# KiCad board MegaDrive.kicad_pcb (continued)
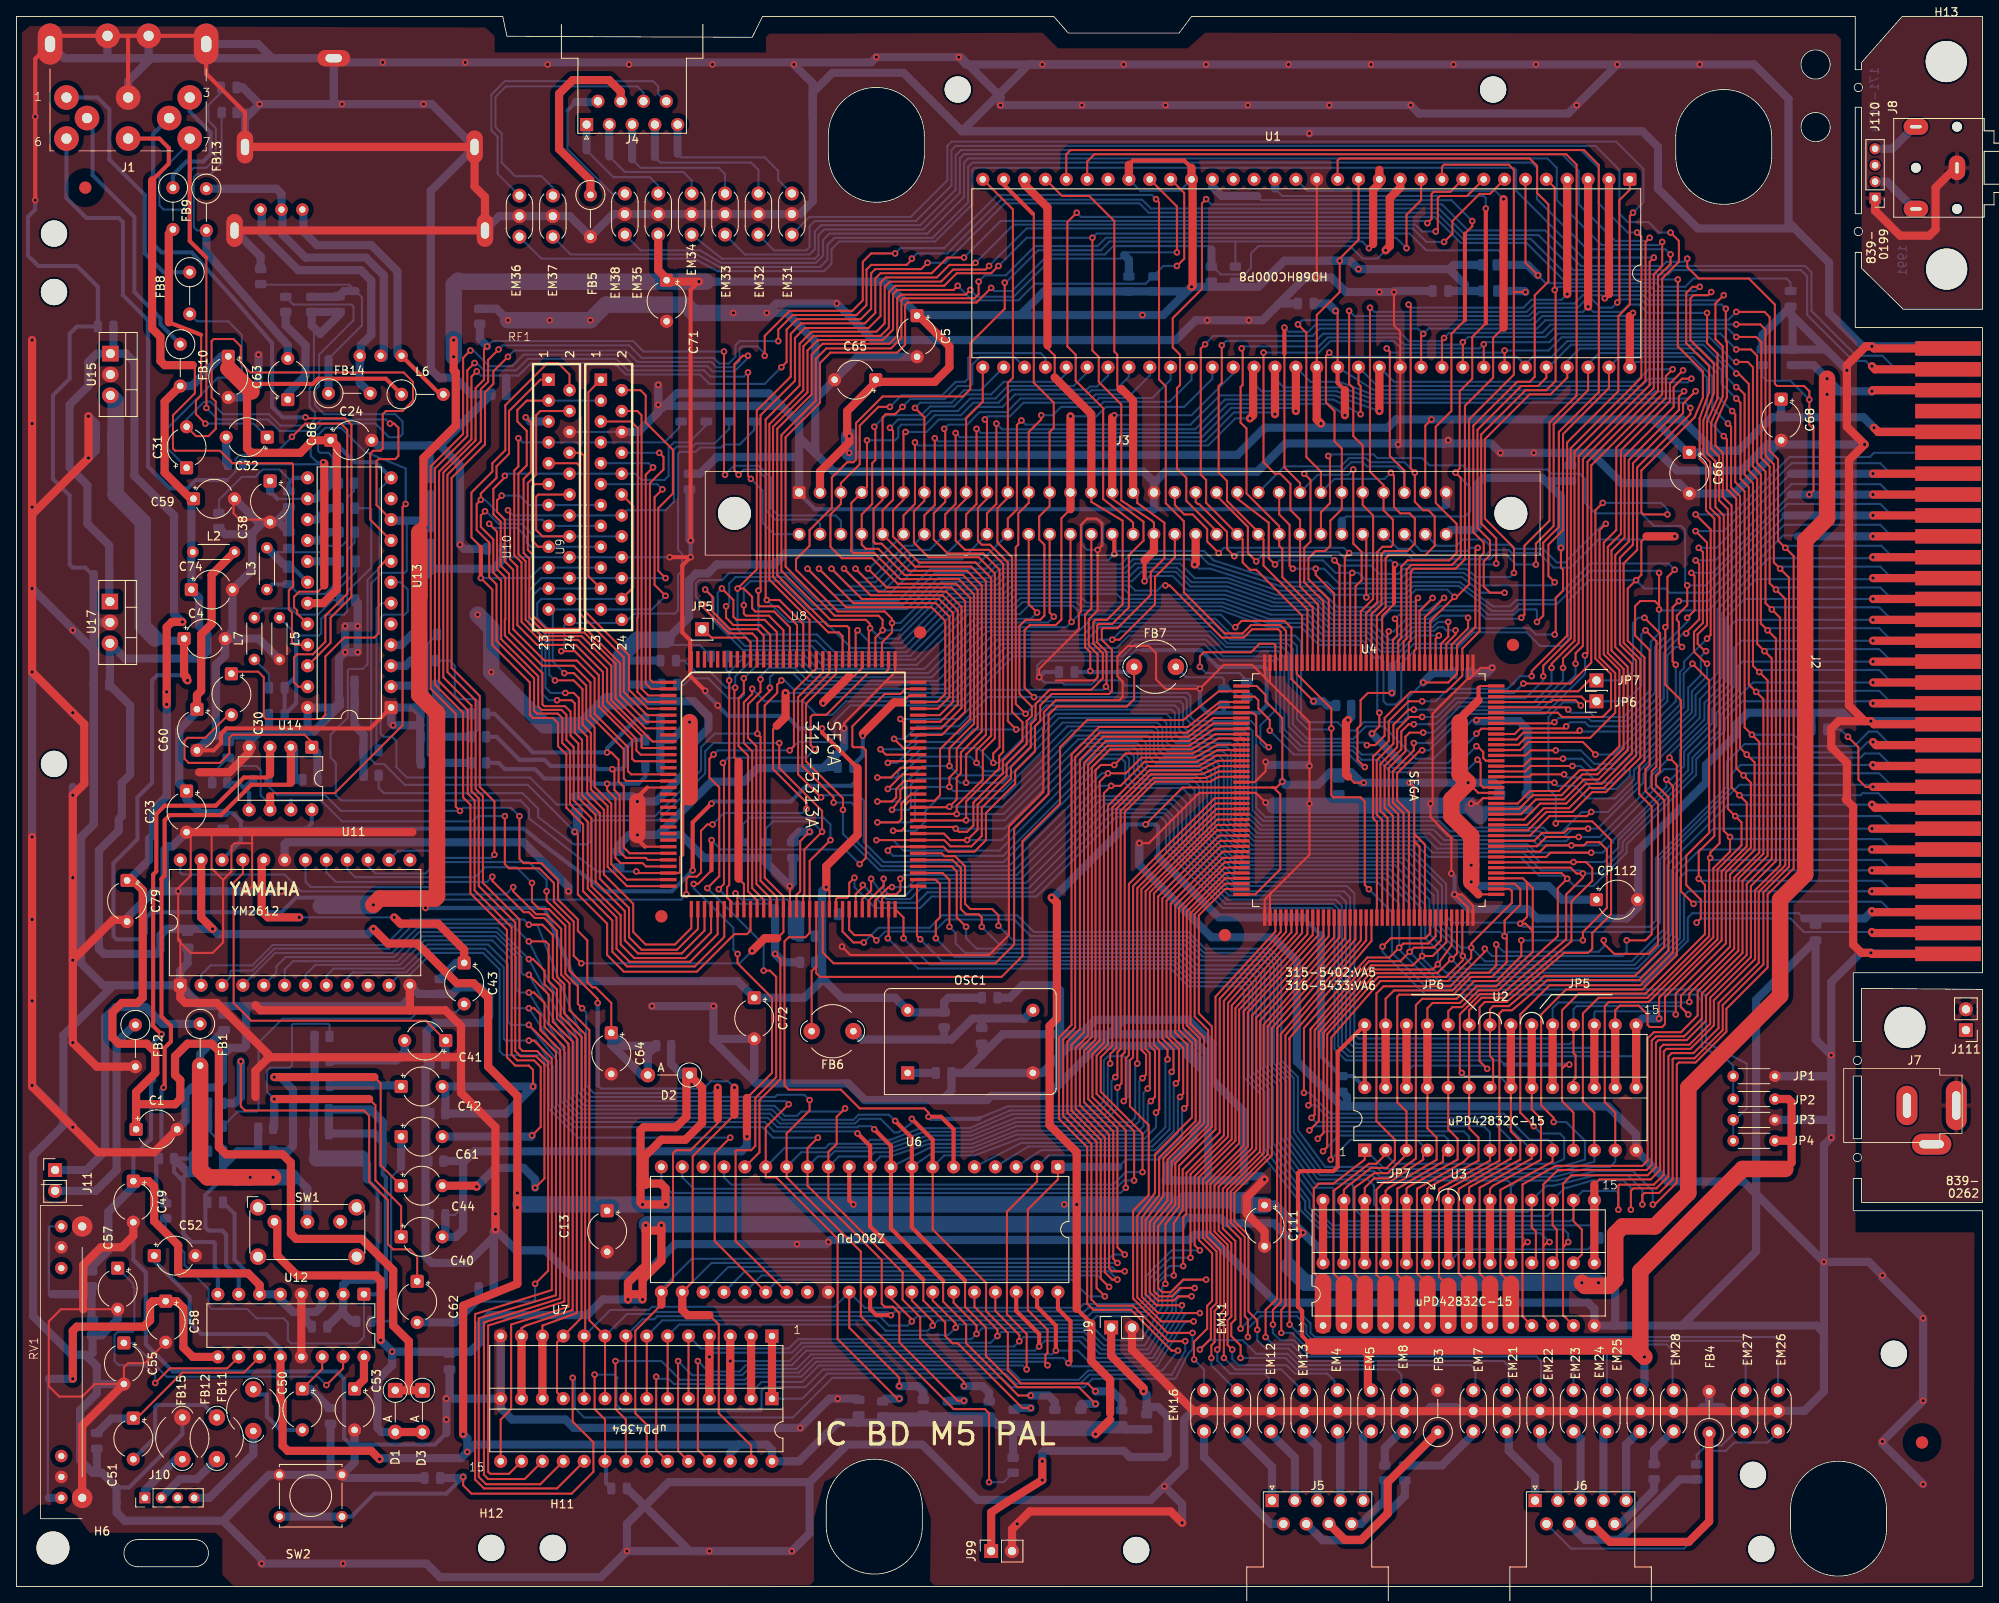
[diagram p0: board, top side]
## Routing (per net, layer and track width the routed paths; a pad name or vN(x,y) marks a point on that pad's centre or on a via; arc(x,y) is an arc through that point) (continued)
GND: length 4714.1
  Top w0.25: 177.26,110.84 176.86,110.44 176.61,110.44 ; 177.26,110.84 178.18,111.76 v1(179.58,111.76) ; 177.26,110.84 177.26,112.01 ; 28.68,90.42 28.68,91.67 28.58,91.77 ; 28.68,90.42 28.68,85.2 v1(28.07,84.58) ; 28.68,90.42 26.54,90.42 26.16,90.04 26.16,87 25.15,85.98 ; 25.15,85.98 25.15,78.36 23.88,77.09 21.21,77.09 19.69,78.61 19.69,78.87 ; 25.15,85.98 23.75,87.38 23.75,91.77 ; 19.69,78.87 19.94,78.61 U11.1 ; 19.69,78.87 v1(19.69,84.58) 19.69,84.96 21.21,86.49 21.21,91.27 C23.2 ; 75.56,96.14 v1(75.56,95.5) 75.56,96.01 ; 30.48,129.79 27.18,129.79 26.42,130.56 26.42,132.84 ; 173.99,139.19 v1(174.24,139.45) ; 177.26,81.76 177.26,82.84 175.89,84.2 v1(175.01,84.2) 176.61,82.6 176.61,81.76 ; U8.97 106.93,111.25 105.66,109.98 ; 152.65,84.33 152.56,84.23 152.56,81.76 ; 152.65,84.33 151.91,83.58 151.91,81.76 ; 152.65,84.33 157.35,89.03 v1(157.35,95.25) v1(157.35,99.82) 157.35,105.16 152.56,109.95 ; 105.66,109.98 105.69,110 109.59,110 ; 105.66,109.98 100.71,105.03 v1(100.71,104.39) ; 151.91,112.01 151.91,110.6 152.15,110.36 ; 176.61,110.44 176.61,112.01 ; 176.61,110.44 172.34,106.17 172.34,95.5 v1(172.08,95.25) 172.08,93.6 174.62,91.06 v1(174.62,86.74) ; U1.16 v1(158.24,159.26) ; v1(124.46,110.62) 124.46,111.63 129.29,116.46 129.29,118.36 129.54,118.62 129.54,129.16 130.3,129.92 131.44,129.92 132.08,129.29 132.08,126.62 v1(131.57,126.11) 131.57,118.75 130.5,117.67 130.5,114.49 131.57,113.41 131.57,110.62 131.19,110.24 126.49,110.24 ; 149.46,97.86 150.69,97.86 152.02,99.19 v1(152.02,100.33) ; 152.15,110.36 150.37,112.14 146.94,112.14 v1(144.02,109.22) 139.83,109.22 138.68,110.36 138.68,113.54 137.8,114.43 135.25,114.43 133.99,113.16 133.99,110.74 134.62,110.11 134.62,108.2 134.24,107.82 126.49,107.82 125.04,106.37 125.04,104.34 124.97,104.27 124.97,96.65 120.78,92.46 120.78,79.25 118.36,76.84 101.47,76.84 v1(100.46,77.85) ; 152.15,110.36 152.56,109.95 ; v1(177.04,95.25) 177.8,95.25 178.46,95.91 179.71,95.91 ; C57.2 5.41,33.74 3.94,32.26 3.94,24.38 5.21,23.11 8,23.11 9.52,24.64 C55.2 13.08,26.67 13.59,27.18 15.62,27.18 C58.2 ; v1(94.11,85.22) 94.13,85.19 U8.48 ; 152.56,109.95 152.56,112.01 ; v1(136.65,90.42) 137.8,90.42 143.93,96.56 150.84,96.56 v1(152.02,95.38) ; 79.19,97.2 76.76,97.2 ; 75.95,90.55 75.56,90.93 v1(75.56,91.44) ; v1(167.64,157.48) 167.64,153.42 168.4,152.65 U1.53 168.4,139.19 v1(168.15,138.94) ; 79.19,90 76.49,90
  Top w0.5: J1.2 2.29,185.85 v1(2.29,168.66) ; 76.76,97.2 75.56,96.01 ; 13.59,188.65 J1.2 5.09,188.65 ; 13.59,188.65 J1.2 ; 13.59,188.65 J1.2 22.09,188.65 ; J1.2 23.09,184.05 27.81,179.32 27.81,175.13 ; C60.2 24,101.73 24.89,102.62 24.89,103.76 25.53,104.39 43.05,104.39 U13.1 ; 76.49,90 75.95,90.55
  Top w1: 54.1,64.39 54.1,60.07 58.29,55.88 v1(58.29,43.43) ; 54.1,64.39 54.1,68.2 52.2,70.1 47.88,70.1 ; 54.1,64.39 30.99,64.39 30.54,64.83 ; 8.13,33.74 8.13,39.12 10.29,41.28 12.83,41.28 14.22,42.67 C49.2 ; U14.4 28.32,101.47 25.91,99.06 22.23,99.06 ; 144.53,21.34 214.38,21.34 ; U11.1 19.94,71.63 20.57,70.99 24.38,70.99 30.54,64.83 ; v1(151.89,49.53) 149.73,47.37 149.73,45.34 151.89,43.18 C111.2 ; 121.16,6.99 123.32,9.14 140.46,9.14 v1(141.86,7.75) ; 121.16,6.99 J99.2 ; 121.16,6.99 v1(121.79,7.62) ; C55.2 8,19.56 RV1.1 ; 47.88,70.1 U11.12 ; 47.88,70.1 29.72,70.1 29.08,70.74 ; 14.35,63.25 9.78,63.25 v1(6.86,66.17) v1(6.86,96.27) 8.26,97.66 8.26,104.9 v1(6.86,106.3) v1(1.91,111.25) 1.91,130.43 ; EM16.2 143.22,21.38 135.76,28.83 135.76,31.37 ; v1(6.86,76.2) 11.76,81.11 13.21,81.11 ; 1.91,130.43 v1(1.91,151.64) ; 1.91,130.43 v1(8.76,137.29) v1(8.76,142.37) ; 48.18,91.77 C23.2 ; 235.2,104.9 226.06,104.9 v1(225.68,105.28) 224.92,105.28 ; 30.54,64.83 30.54,64.2 29.08,62.74 29.08,59.56 ; 224.92,105.28 221.74,105.28 220.85,104.39 220.85,102.11 222.76,100.2 222.76,95.89 222.63,95.76 223.52,94.87 223.52,78.11 224.54,77.09 v1(225.68,77.09) 225.81,76.96 235.2,76.96 ; 224.92,105.28 223.01,107.19 223.01,137.03 v1(224.92,138.94) 222.76,141.1 v1(222.76,147.96) 222.76,148.59 225.04,150.88 v1(225.81,150.88) 226.06,150.62 235.2,150.62 ; v1(1.91,91.19) 1.91,60.83 v1(6.86,55.88) 9.91,52.83 16.76,52.83 C1.2 ; RF1.4 RF1.4 57.02,169.04 55.75,170.31 55.75,175.13 27.81,175.13 ; 34.67,27.94 34.67,35.56
  Top w2: v1(75.56,95.5) v1(75.56,91.44)
  Bottom w0.25: 79.12,115.19 79.76,114.55 83.12,114.55 C110.2 ; 132.21,126.62 132.25,126.66 132.25,129.37 131.83,129.79 130.18,129.79 129.67,129.29 129.67,126.75 130.3,126.11 v1(131.57,126.11) ; v1(177.04,95.25) v1(172.08,95.25) ; U10.6 U9.6 ; 101.09,125.73 101.35,125.73 101.73,126.11 101.73,131.06 ; v1(144.02,109.22) 143.64,109.6 135,109.6 134.37,110.24 131.32,110.24 130.81,109.73 127.51,109.73 127.25,109.98 125.1,109.98 124.97,110.11 ; 137.03,113.92 136.18,113.92 134.91,112.65 124.84,112.65 124.21,112.01 124.21,110.87 124.97,110.11 ; 124.97,110.11 v1(124.46,110.62) ; 104.27,131.06 104.27,125.98 104.01,125.73 ; v1(157.35,95.25) 152.15,95.25 v1(152.02,95.38) ; 152.4,99.95 v1(152.02,100.33) ; v1(157.35,99.82) 157.23,99.95 ; C23.2 24.72,91.77 C69.1
  Bottom w0.5: v1(124.46,110.62) 125.1,111.25 C112.1 ; FB15.2 20.19,18.54 13.72,12.07 12.19,12.07 ; 42.8,17.27 50.93,17.27 52.32,18.67 ; 42.8,17.27 41.15,17.27 ; 42.8,17.27 40.64,17.27 39.88,18.03 39.88,25.27 38.99,26.16 19.05,26.16 15.75,29.46 15.75,38.23 14.22,39.75 C49.2 ; C83.2 8.38,123.95 6.86,123.95 6.48,124.33 6.48,132.72 4.45,134.75 4.45,144.91 6.48,146.94 6.48,152.4 7.37,153.29 C2.2 9.91,158.12 7.37,160.66 2.67,160.66 1.4,161.93 1.4,166.62 2.29,167.51 v1(2.29,168.66) v1(2.29,178.82) 2.29,185.85 J1.2 ; 137.03,113.92 144.14,113.92 146.18,111.89 151.89,111.89 152.15,111.63 152.15,107.19 151.26,106.3 146.69,106.3 ; 146.69,106.3 146.94,106.55 C92.1 ; 146.69,106.3 144.91,106.3 144.02,107.19 v1(144.02,109.22) ; v1(174.62,86.74) 175.01,86.36 v1(175.01,84.2) ; 173.99,131.57 173.48,131.06 97.16,131.06 95.25,132.97
  Bottom w1: 96.52,12.7 101.09,17.27 110.24,17.27 116.97,10.54 138.05,10.54 v1(139.7,12.19) ; 96.52,12.7 96.52,6.48 v1(94.36,4.32) v1(74.3,4.32) ; 96.52,12.7 79.38,12.7 74.3,7.62 v1(74.3,4.32) ; U9.6 75.69,140.46 78.11,142.88 v1(78.11,143.76) ; C119.2 189.1,137.92 ; 189.1,137.92 191.64,137.92 ; 189.1,137.92 v1(184.66,137.92) v1(180.59,137.92) 179.45,139.06 173.23,139.06 ; U11.19 32.64,90.3 32.89,90.55 61.72,90.55 67.18,85.09 v1(67.18,84.58) ; 9.4,113.54 9.4,113.92 v1(1.91,121.41) ; 9.4,113.54 9.4,117.09 ; 9.4,113.54 C73.2 9.4,92.71 7.87,91.19 7.87,75.82 10.54,73.15 11.81,73.15 ; 9.4,117.09 9.59,117.29 U17.2 ; 9.4,117.09 C83.2 ; 220.54,150.18 215.9,154.81 ; 220.54,150.18 220.22,150.5 216.15,150.5 ; 220.54,150.18 v1(222.76,147.96) ; 215.9,154.81 216.15,154.56 216.15,150.5 ; 215.9,154.81 C94.1 212.47,152.27 212.47,150.5 216.15,150.5 ; 7.75,16.13 8,15.88 RV1.1 ; 7.75,16.13 7.75,15.37 9.27,13.84 9.91,13.84 ; 7.75,16.13 7.75,21.46 9.78,23.5 9.78,24.64 ; J1.2 5.81,185.93 11.18,185.93 ; 97.22,137.86 95.25,139.83 ; 97.22,137.86 97.22,151.45 93.73,154.94 v1(91.31,154.94) 92.46,156.08 v1(99.82,156.08) 104.27,151.64 141.1,151.64 143.51,154.05 v1(144.91,154.05) v1(149.99,154.05) 151.64,154.05 153.67,156.08 ; 97.22,137.86 99.44,135.64 137.16,135.64 138.43,134.37 J3.a18 ; 95.25,139.83 95.25,137.41 ; 95.25,139.83 95.25,141.48 ; v1(59.82,154.05) 58.42,155.45 R33.1 ; 117.48,64.64 120.02,67.18 142.49,67.18 145.03,64.64 145.03,49.4 ; 117.48,64.64 C82.2 ; 117.48,64.64 115.32,62.48 ; v1(194.82,185.17) v1(189.87,180.21) 188.85,179.2 170.69,179.2 v1(169.67,180.21) v1(159.77,180.21) v1(119.76,180.21) 119.76,181.23 114.93,186.06 v1(114.68,186.06) ; C116.2 73.53,109.73 ; v1(179.58,111.76) 178.94,111.13 176.78,111.13 ; 216.41,165.23 215.65,165.99 215.65,180.98 211.45,185.17 v1(204.85,185.17) v1(124.84,185.17) 115.57,185.17 v1(114.68,186.06) ; 216.41,165.23 204.6,165.23 199.77,170.05 199.77,175.13 197.87,177.04 157.61,177.04 v1(157.35,176.78) 157.1,177.04 115.06,177.04 ; 216.41,165.23 220.6,161.04 220.6,154.94 224.66,150.88 v1(225.81,150.88) 234.95,150.88 ; 27.94,70.61 27.94,65.79 27.69,65.53 26.04,65.53 25.15,64.64 25.15,61.6 24.26,60.71 21.34,60.71 20.57,59.94 20.57,56.64 C1.2 ; 27.94,70.61 46.86,70.61 47.88,71.63 U11.12 48.94,72.09 R54.2 53.04,72.09 53.85,72.9 56.39,72.9 57.53,71.76 57.53,69.47 56.64,68.58 50.93,68.58 49.91,67.56 49.91,64.09 R53.2 49.78,63.04 49.78,40.13 50.55,39.37 54.93,39.37 58.29,42.74 v1(58.29,43.43) ; 27.94,70.61 25.27,70.61 ; C11.2 9.78,13.97 9.91,13.84 ; C4.2 29.46,115.32 L5.1 ; C4.2 25.4,113.28 24.26,112.14 24.26,104.01 23.75,103.51 ; C4.2 26.29,116.21 C74.2 28.7,123.7 28.7,128.02 ; v1(141.86,7.75) 141.86,10.03 v1(139.7,12.19) ; 28.58,179.32 R71.1 ; 28.58,179.32 v1(29.59,180.34) ; 28.58,179.32 27.81,178.56 27.81,175.13 ; v1(175.01,84.2) 176.78,82.42 183.9,82.42 185.04,81.28 195.96,81.28 197.36,82.68 197.36,89.54 205.61,97.79 205.61,99.95 209.17,103.51 209.17,104.78 210.69,106.3 218.44,106.3 ; v1(29.46,149.86) 29.46,146.18 27.94,144.65 C63.2 ; 93.09,143.64 93.09,143.63 C106.2 78.86,143.63 78.68,143.45 ; 93.09,143.64 95.25,141.48 ; 93.09,143.64 91.57,145.16 80.39,145.16 78.68,143.45 ; SW2.1 40,13.21 C80.2 ; SW2.1 41.15,15.11 C53.2 ; SW2.1 38.23,13.59 ; 25.15,8 30.73,13.59 SW2.1 38.23,13.59 ; 25.15,8 13.21,8 12.19,9.02 12.19,12.07 10.41,13.84 9.91,13.84 ; 25.15,8 29.84,3.3 v1(29.84,2.79) v1(39.75,2.79) 49.91,2.79 51.56,1.14 71.12,1.14 v1(74.3,4.32) ; JP1.2 220.83,62.08 220.85,62.1 ; RF1.4 31.11,185.93 ; RF1.4 39.12,185.42 v1(44.58,185.42) 104.01,185.42 v1(104.65,186.06) v1(114.68,186.06) ; RF1.4 38.61,180.34 ; 31.11,185.93 29.39,187.65 J1.2 ; 31.11,185.93 17.27,185.93 ; v1(139.7,12.19) 142.11,14.61 142.11,20.32 143.17,21.38 EM16.2 ; 145.03,49.4 C14.2 140.08,51.18 143.26,54.36 143.26,55.37 144.4,56.52 144.4,63.75 142.37,65.79 ; 145.03,49.4 149.35,49.4 149.35,49.4 149.35,49.91 ; 8.7,27.88 9.78,26.8 9.78,24.64 ; 8.7,27.88 8.38,28.19 6.73,28.19 2.03,32.89 2.03,52.45 5.72,56.13 5.72,67.06 11.81,73.15 ; 8.7,27.88 9.27,28.45 R66.2 10.37,30.56 12.32,32.51 C57.2 ; v1(6.86,55.88) 6.86,56.01 v1(1.91,60.96) v1(1.91,151.64) ; 153.67,156.08 156.85,159.26 159,159.26 ; 153.67,156.08 C81.1 ; 11.81,73.15 U11.1 ; 95.25,137.41 85.22,137.41 83.18,135.38 C20.2 ; 95.25,137.41 J3.a1 ; v1(136.65,90.42) 136.65,87.76 145.42,78.99 152.91,78.99 155.83,76.07 155.83,63.88 161.29,58.42 161.93,58.42 ; 142.37,65.79 142.37,64.77 147.32,59.82 ; 142.37,65.79 133.99,65.79 ; 127,61.21 125.48,59.69 118.62,59.69 118.11,59.18 112.65,59.18 ; 127,61.21 130.56,64.77 ; 127,61.21 127,72.52 126.36,73.15 122.43,73.15 120.9,71.63 C19.2 ; 35.43,104.01 30.73,104.01 ; 35.43,104.01 36.2,104.01 39.37,107.19 R24.1 ; 35.43,104.01 U13.24 38.73,106.93 R24.1 ; 30.73,104.01 30.74,104.02 C37.2 ; 30.73,104.01 29.59,104.01 ; FB4.2 205.99,21.84 ; 205.99,21.84 205.23,21.84 204.72,21.34 175.64,21.34 175.13,21.84 172.08,21.84 171.58,21.34 144.53,21.34 ; 205.99,21.84 207.52,21.84 208.03,21.34 214.38,21.34 ; v1(224.92,138.94) 213.11,138.94 209.93,135.76 202.06,135.76 199.9,137.92 191.64,137.92 ; 218.44,106.3 218.44,106.29 218.44,104.27 ; 218.44,106.3 222.25,106.3 223.27,105.28 v1(225.68,105.28) 234.7,105.28 J2.a12 ; v1(219.96,39.5) 225.43,39.5 v1(227.08,37.85) 227.08,37.59 v1(232.03,32.64) v1(232.03,22.61) v1(227.08,17.65) 227.08,17.4 v1(232.03,12.45) ; v1(219.96,39.5) 219.96,53.72 v1(220.85,54.61) 220.85,56.77 ; v1(219.96,39.5) 210.19,49.28 200.91,49.28 U2.14 197.1,54.99 193.68,58.42 161.93,58.42 ; v1(219.96,39.5) 219.96,28.7 ; 167.51,139.06 154.43,139.06 151,135.64 139.83,135.64 138.43,134.24 J3.a18 ; 167.51,139.06 168.02,139.06 v1(168.15,138.94) ; 167.51,139.06 173.23,139.06 ; v1(78.11,143.76) 78.99,143.76 78.68,143.45 ; v1(78.11,143.76) v1(78.11,146.18) ; 74.17,4.32 v1(74.3,4.32) ; 115.06,177.04 107.95,184.15 99.31,184.15 96.9,181.74 96.9,178.94 ; 115.06,177.04 123.19,185.17 v1(134.75,185.17) ; 134.87,68.96 142.62,68.96 145.54,66.04 145.54,61.6 147.32,59.82 ; 134.87,68.96 131.32,68.96 128.08,65.72 ; 134.87,68.96 134.75,68.96 130.56,64.77 ; C6.2 167.77,157.61 v1(167.64,157.48) v1(165.86,157.48) 161.8,157.48 160.02,159.26 159,159.26 ; 130.56,64.77 131.57,65.79 133.99,65.79 ; C114.2 81.92,4.32 v1(84.33,4.32) ; 147.32,59.82 149.35,57.79 149.35,49.91 ; 96.9,178.94 96.9,182.88 v1(94.61,185.17) ; 96.9,178.94 96.9,168.53 95.34,166.97 EM31.2 72.6,166.97 FB5.2 67.35,166.71 EM36.2 58.76,166.71 RF1.4 ; 18.03,84.58 v1(19.69,84.58) v1(28.07,84.58) v1(32.26,84.58) ; 18.03,84.58 16.68,84.58 13.21,81.11 ; 18.03,84.58 18.03,89.66 18.41,90.04 18.97,90.04 C23.2 ; R24.1 39.25,107.69 C29.2 39.25,112.91 v1(40,113.67) ; 202.69,31.75 194.56,31.75 ; 202.69,31.75 211.71,40.77 211.71,71.37 C90.2 218.95,66.55 v1(220.85,64.64) ; 202.69,31.75 219.07,31.75 219.96,30.86 219.96,28.7 ; 194.56,31.75 194.56,31.76 194.56,42.42 ; 194.56,31.75 U3.14 192.02,33.78 191.26,34.54 153.29,34.54 145.03,42.8 143.38,42.8 142.75,42.16 99.06,42.16 v1(98.81,41.91) 98.55,41.66 v1(95,41.66) 80.14,41.66 76.33,37.85 67.44,37.85 64.39,40.89 60.83,40.89 v1(58.29,43.43) ; 98.17,99.57 100.71,102.11 v1(100.71,104.39) ; 98.17,99.57 98.3,99.7 99.95,99.7 ; 98.17,99.57 90.17,99.57 88.52,97.92 84.58,97.92 78.11,91.44 ; C78.2 94.49,85.6 v1(94.11,85.22) 91.19,88.14 C102.2 83.69,88.65 80.9,91.44 78.11,91.44 ; C38.2 29.38,129.49 26.54,132.33 ; C38.2 31.58,129.49 ; C38.2 30.05,129.49 28.7,128.14 28.7,128.02 ; C85.1 178.82,94.49 178.05,93.73 ; 50.29,138.81 43.94,138.81 43.05,139.7 ; 50.29,138.81 C105.2 ; 50.29,138.81 51.56,138.81 ; 115.32,62.48 OSC1.7 124.84,62.48 128.08,65.72 ; 115.32,62.48 C122.2 113.79,60.33 112.65,59.18 ; C68.2 213.36,138.05 213.36,137.29 209.04,132.97 C66.2 202.31,134.24 195.33,134.24 191.64,137.92 ; 128.08,65.72 128.14,65.79 133.99,65.79 ; 25.27,70.61 22.48,70.61 U11.1 ; 25.27,70.61 C121.2 ; 9.78,24.64 C55.2 ; U7.14 U7.14 ; U7.14 v1(52.32,22.86) ; U7.14 58.93,21.72 60.33,20.32 66.8,20.32 67.82,19.3 v1(95.38,19.3) 98.93,22.86 v1(99.95,22.86) 102.36,22.86 C15.2 ; v1(40,113.67) v1(41.53,113.67) v1(41.53,116.84) ; v1(40,113.67) v1(40,116.84) v1(41.53,116.84) ; 112.65,59.18 103.25,59.18 101.22,61.21 90.04,61.21 ; v1(174.24,139.45) 173.86,139.06 173.23,139.06 ; R30.1 25.4,128.02 28.7,128.02 ; 23.75,103.51 C60.2 ; 23.75,103.51 29.08,103.51 29.59,104.01 ; 29.59,104.01 28.32,102.74 U14.4 ; v1(8.76,142.37) 9.65,141.48 C3.2 9.65,138.18 v1(8.76,137.29) ; v1(52.32,22.86) 52.7,23.24 C89.2 ; v1(52.32,22.86) v1(52.32,20.32) 52.32,18.67 ; v1(6.86,66.17) 6.86,97.28 ; 49.23,100.2 49.15,100.28 49.15,104.78 ; v1(151.89,49.53) 151.51,49.91 149.35,49.91 ; v1(29.59,180.34) 27.56,182.37 C113.2 ; v1(29.59,180.34) 38.61,180.34 ; 84.84,66.42 85.04,66.63 C72.2 89.79,61.47 90.04,61.21 ; 84.84,66.42 v1(84.84,70.61) v1(77.34,70.61) ; 84.84,66.42 90.04,61.21 ; U11.1 19.94,74.93 20.83,75.82 C22.2 ; 95.25,141.48 95.25,142.49 C65.2 102.36,149.61 C5.2 ; 38.61,180.34 v1(49.53,180.34) 50.55,180.34 55.75,175.13 50.42,169.8 50.42,148.08 51.44,147.07 53.34,147.07 55.37,145.03 57.78,145.03 51.56,138.81 ; 17.27,185.93 16.38,185.93 ; 17.27,185.93 11.18,185.93 ; 16.38,185.93 16.09,186.22 J1.2 ; 16.38,185.93 13.59,183.13 J1.2 ; 11.18,185.93 11.09,186.02 J1.2 ; 219.96,28.7 219.96,23.75 217.59,21.38 EM26.2 ; C75.2 38.23,13.59 ; v1(58.29,43.43) 58.09,43.23 R49.1 ; v1(58.29,43.43) v1(58.29,45.34) ; J3.a18 138.43,131.06 ; C21.2 54.48,126.24 v1(53.97,126.75) 53.97,136.4 51.56,138.81 ; 73.53,107.7 82.42,107.7 84.2,105.92 84.2,104.39 82.42,102.62 82.42,100.08 77.85,95.5 v1(75.56,95.5) 74.94,96.13 C103.2 ; 161.93,58.42 161.93,59.56 C7.2 ; 220.85,56.77 220.85,62.1 ; 220.85,56.77 JP3.2 ; 220.85,62.1 v1(220.85,64.64) ; 78.11,91.44 v1(75.56,91.44) 74.55,91.44 73.28,90.17 C16.2 ; v1(41.53,116.84) 41.53,119.68 41.2,120.02 ; 159,159.26 v1(158.24,159.26) ; 31.58,129.49 31.92,129.49 C34.2 C95.2 33.15,131.06 31.58,129.49 ; J2.a1 225.81,76.96 v1(225.68,77.09) 224.41,77.09 220.85,73.53 v1(220.85,64.64) ; RF1.4 29.72,161.8 R73.1 ; C115.2 74.04,112.65 73.53,113.16 ; 79.12,115.19 81.85,117.92 81.85,122.39 82.72,123.25 84.14,123.25 85.22,124.33 92.2,124.33 93.6,125.73 104.01,125.73 ; 49.15,104.78 v1(45.85,104.78) 45.59,105.03 U13.1 48.39,106.93 R18.1 49.15,104.78 ; 81.66,155.7 81.41,155.96 ; 157.23,99.95 152.4,99.95 ; J3.a32 173.99,131.57
  Bottom w2: v1(91.31,154.94) v1(87.25,154.94) 82.42,154.94 81.66,155.7 ; 79.12,115.19 75.56,115.19 73.53,113.16 73.53,107.7 71.88,107.7 68.96,104.78 64.26,104.78 v1(57.78,111.25) 57.78,116.59 v1(56.13,118.24) ; 153.04,95 176.78,95 178.05,93.73 ; v1(59.82,154.05) v1(64.9,154.05) v1(69.85,154.05) 71.75,155.96 81.41,155.96
  vias: v1(1.91,141.48) v1(1.91,131.32) v1(1.91,81.15) v1(1.91,71.25) v1(6.86,116.33) v1(6.86,86.23) v1(39.62,180.34) v1(54.61,185.42) v1(64.64,185.17) v1(74.55,185.17) v1(84.71,185.17) v1(129.67,180.21) v1(139.83,180.21) v1(144.78,185.17) v1(149.86,180.21) v1(154.81,185.17) v1(164.85,185.17) v1(174.88,185.17) v1(184.91,185.17)
VCC: length 899.1
  Top w0.25: U1.49 158.24,154.69 161.04,157.48 v1(161.04,161.29) 161.04,161.54 163.32,163.83 U1.14 ; U8.54 98.93,84.71 v1(98.55,85.09) ; v1(172.21,141.99) 171.45,141.22 J3.a31
  Top w0.5: 51.18,83.95 50.8,83.95 49.78,82.93 v1(49.78,82.55) ; v1(82.04,127.25) 82.04,157.73 v1(83.06,158.75) ; v1(79.5,125.22) v1(82.04,125.22) 81.03,124.21 81.03,116.08 81.99,115.11 81.99,110.79 v1(83.82,108.97) ; 143,172.59 142.11,173.48 135.89,173.48 135.38,172.97 ; v1(98.04,104.39) 98.04,103.89 102.36,99.57
  Top w1: v1(226.06,140.97) 226.57,140.46 235.2,140.46 ; U1.22 143,172.59 ; 143.13,171.07 143.13,158.24 v1(143,158.12) ; EM35.1 78.11,160.15 79.5,158.75 v1(83.06,158.75) ; C4.1 20.4,110.92 20.7,110.62 20.7,110.36 v1(20.83,110.24) ; 135.38,172.97 U1.25 ; 49.02,128.27 49.02,128.78 49.53,129.29 49.53,137.29 53.47,141.22 53.47,147.7 53.21,147.96 v1(53.21,151.64) ; 102.36,99.57 102.36,91.44 98.55,87.63 v1(98.55,85.09) ; U1.49 158.24,141.99 v1(158.75,141.48) ; 109.73,154.69 113.54,150.88 113.54,148.34 111.76,146.56 104.65,146.56 101.09,143 101.09,140.21 v1(101.35,139.95) 101.35,139.19 97.79,135.64 J3.a2
  Top w2: 49.02,120.52 v1(49.02,122.17) ; 49.02,120.52 49.02,108.46 51.18,106.3 51.18,83.95 50.93,83.69 44.2,83.69 v1(43.43,82.93) ; 49.02,120.52 49.02,128.27
  Bottom w0.25: U1.22 141.61,169.8 136.78,169.8 U1.25 ; v1(79.5,125.22) U10.18 59.18,125.22
  Bottom w0.5: v1(83.82,108.97) 83.82,108.71 v1(85.34,107.19) 86.61,105.92 93.73,105.92 95.25,104.39 v1(98.04,104.39) ; v1(20.83,110.24) 20.19,110.87 17.15,110.87 16.51,110.24 16.51,97.79 14.73,96.01 14.73,90.93 11.81,88.01 11.81,79.12 12.19,78.74 14.99,78.74 15.75,79.5 15.75,81.34 16.45,82.04 32.26,82.04 34.04,83.82 48.51,83.82 v1(49.78,82.55) 64.26,82.55 67.95,73.79 ; v1(82.04,125.22) v1(82.04,127.25)
  Bottom w1: C19.1 113.41,71.63 112.9,71.12 R69.2 108.71,69.85 OSC1.14 106.93,71.63 100.46,71.63 98.04,74.04 98.04,74.8 ; 159.64,161.29 162.31,161.29 v1(163.32,160.27) 174.37,160.27 ; 159.64,161.29 v1(161.04,161.29) ; 159.64,161.29 154.31,161.29 151.13,158.12 v1(143,158.12) ; 98.04,77.47 98.04,76.71 97.28,75.95 R15.2 ; 98.04,77.47 98.04,84.58 v1(98.55,85.09) ; 98.04,77.47 98.04,74.8 ; 122.17,154.69 109.73,154.69 105.66,158.75 v1(83.06,158.75) ; 122.17,154.69 v1(137.03,154.69) 139.57,154.69 v1(143,158.12) ; 122.17,154.69 125.05,157.56 R10.2 142.45,157.56 v1(143,158.12) ; C20.1 81.92,127.38 v1(82.04,127.25) ; 207.14,138.18 206.5,138.18 202.69,141.99 199.26,141.99 ; 207.14,138.18 209.55,138.18 213.61,142.24 214.76,142.24 ; 207.14,138.18 206.93,137.97 C66.1 ; v1(101.35,137.92) 101.6,137.67 148.59,137.67 151.89,140.97 161.04,140.97 ; 12.06,139.44 C3.1 ; C21.1 59.18,124.97 58.04,123.83 50.67,123.83 ; 214.76,142.24 C68.1 ; 214.76,142.24 224.79,142.24 v1(226.06,140.97) 226.57,140.46 235.2,140.46 ; 174.37,160.27 174.88,160.78 R68.2 ; 174.37,160.27 176.28,158.37 176.28,157.61 ; R8.2 176.28,157.61 ; 176.28,157.61 C6.1 ; 50.67,123.83 v1(49.02,122.17) ; 50.67,123.83 50.29,124.21 ; 161.04,140.97 166.88,140.97 167.89,141.99 v1(172.21,141.99) 199.26,141.99 ; 161.04,140.97 159.26,140.97 v1(158.75,141.48) ; 98.04,74.8 98.04,73.79 95.89,71.63 C72.1 87.76,73.66 68.07,73.66 67.95,73.79 ; 53.85,158.75 53.72,158.88 ; 50.29,124.21 v1(49.02,124.21) ; 50.29,124.21 R16.1 ; 20.15,115.06 17.15,115.06 16.89,115.32 ; 199.26,141.99 203.28,137.97
  Bottom w2: 12.06,137.67 12.06,144.27 U15.3 ; 12.06,137.67 12.06,139.44 ; 12.06,137.67 12.06,132.84 15.37,129.54 15.37,116.84 16.89,115.32 ; v1(101.35,137.92) v1(101.35,139.95) ; v1(43.43,82.93) 43.31,82.8 37.03,82.8 ; 53.72,158.88 53.21,158.37 v1(53.21,151.64) v1(53.21,149.61) ; 83.95,158.75 53.85,158.75
VCCQ: length 1039.5
  Top w0.25: 170.76,81.76 170.76,90.03 170.11,90.68 ; 177.93,109.35 178.14,109.56 179.71,109.56 ; 177.04,85.09 v1(177.04,85.73) ; 170.11,81.76 170.11,90.68 ; 170.11,90.68 170.11,91.57 ; v1(169.55,97.79) 170.11,97.23 170.11,91.57 ; 179.71,96.56 177.89,96.56 v1(176.66,97.79) 176.15,98.3 ; v1(137.41,92.71) 141.91,97.21 152.78,97.21 ; 149.46,109.56 150.92,109.56 152.02,108.46 152.02,107.7 154.05,105.66 v1(154.05,97.92) 153.34,97.21 152.78,97.21 ; 152.78,97.21 152.98,97.21 153.8,96.39 153.8,87.25 150.76,84.21 149.46,84.21 ; 171.41,81.76 171.41,90.27 170.11,91.57 ; 179.71,84.21 177.92,84.21 ; 162.05,98.55 162.81,97.79 v1(163.96,97.79)
  Top w0.5: U6.11 101.35,46.99 v1(101.85,46.48) ; 133.1,21.08 133.1,20.32 ; 129.03,33.78 130.81,32 ; 157.73,29.21 156.46,30.48 156.46,33.53 155.96,34.04 155.96,42.42 v1(156.59,43.05) 155.96,43.69 155.96,50.29 156.21,50.55 160.27,50.55 160.78,51.05 160.78,65.02 U2.28 U2.28 ; 177.93,109.35 177.93,107.82
  Top w1: v1(43.43,80.01) 45.21,78.23 48.77,78.23 53.59,73.41 55.63,73.41 57.4,71.63 57.4,63.25 60.96,59.69 v1(60.96,47.88) v1(60.96,46.1) 60.96,36.83 54.36,34.16 v1(54.36,18.54) ; 76.84,49.15 76.45,49.53 76.45,52.32 78.49,54.36 81.41,54.36 83.44,56.39 83.44,60.71 D2.1 ; 76.84,49.15 76.96,49.02 78.42,49.02 78.99,48.45 v1(78.99,46.48) v1(76.2,46.48) 75.95,46.74 75.95,48.9 ; 76.84,49.15 76.58,48.9 75.95,48.9 ; 216.03,54.36 216.03,51.56 215.26,50.8 ; 216.03,54.36 216.03,58.93 215.65,59.31 JP2.2 ; 216.03,54.36 215.9,54.23 JP4.2 ; v1(125.98,83.82) 126.62,83.19 126.62,69.09 125.73,68.2 125.73,56.13 129.03,52.83 v1(129.03,46.48) 129.03,33.78 ; U12.12 32.13,22.73 32.39,22.48 32.39,17.15 33.02,16.51 43.18,16.51 v1(44.2,15.49) ; 177.93,107.82 176.15,106.05 ; U11.23 22.48,81.41 v1(23.88,80.01) ; v1(162.05,105.41) 161.8,105.16 161.8,98.81 162.05,98.55 ; EM5.1 164.46,24.26 164.46,28.96 ; FB10.2 18.03,144.15 18.03,135.51 21.21,132.33 C59.1 ; 81.53,61.85 81.53,57.15 80.26,55.88 76.33,55.88 75.95,55.5 75.95,48.9 ; 177.92,84.21 177.04,85.09 ; 133.1,21.08 133.1,25.15 130.81,27.43 130.81,32 ; U3.28 U3.28 ; 133.1,20.32 v1(131.32,18.54) ; v1(198.12,27.94) 197.61,28.45
  Top w2: 157.73,29.21 164.21,29.21 164.46,28.96 164.72,29.21 196.85,29.21 v1(198.12,27.94) ; 215.26,50.8 210.06,50.8 197.61,38.35 197.61,28.45 ; 175.64,105.16 175.64,98.81 v1(176.66,97.79) 174.62,95.76 174.62,93.73 177.04,91.31 v1(177.04,87.76) v1(177.04,85.73)
  Bottom w0.25: 163.7,97.79 v1(163.96,97.79)
  Bottom w0.5: 161.17,62.1 158.75,64.52 158.75,65.79 ; U12.12 32.13,28.96 30.35,30.73 22.48,30.73 21.08,32.13 21.08,35.31 16.77,39.61 C52.1 ; 158.75,79.25 156.59,81.41 ; 134.87,92.71 v1(137.41,92.71) 138.68,92.71 138.94,92.46 138.94,88.77 ; C7.1 162.69,62.1 U2.28 ; 146.3,81.41 145.92,81.79
  Bottom w1: v1(163.96,97.79) v1(176.66,97.79) 179.83,97.79 180.47,97.16 C10.1 ; v1(54.86,16.38) 54.1,15.62 44.32,15.62 v1(44.2,15.49) ; v1(54.86,16.38) 54.86,18.03 v1(54.36,18.54) ; v1(54.86,16.38) 55.75,17.27 87.88,17.27 ; C63.1 24.94,149.65 21.34,146.05 FB10.2 ; 121.29,18.54 121.29,19.56 R83.1 ; 121.29,18.54 R77.1 ; 121.29,18.54 121.54,18.8 131.06,18.8 v1(131.32,18.54) ; 158.75,65.79 158.75,79.25 ; v1(131.32,18.54) 131.91,19.13 R3.1 135,19.13 R81.1 ; v1(131.32,18.54) 132.41,19.64 R81.1 ; v1(131.32,18.54) 130.18,19.69 R83.1 ; v1(177.04,85.73) 177.55,85.22 186.44,85.22 188.09,83.57 192.41,83.57 ; v1(125.98,83.82) 126.24,83.82 134.87,92.46 ; R80.1 129.59,19.64 R81.1 ; 119.38,19.69 R79.1 R84.1 R78.1 ; 119.38,19.69 119.13,19.94 102.49,19.94 ; 119.38,19.69 R83.1 ; U7.26 86.87,16.26 87.88,17.27 ; v1(162.05,105.41) 162.43,105.79 R67.2 ; 87.88,17.27 91.31,17.27 91.95,16.64 U7.28 95.25,15.24 99.95,19.94 102.49,19.94 ; C15.1 102.49,19.94 ; 156.59,81.41 146.3,81.41 ; R1.1 79.68,63.58 81.03,62.23 D2.1 ; 197.61,24 198.12,24.51 v1(198.12,27.94) ; 151.97,46.48 153.16,46.48 159,40.64 U3.28 ; v1(60.96,47.88) v1(60.96,46.1) 61.34,46.48 ; v1(154.05,97.92) 154.43,97.54 158.37,97.54 159.89,99.06 162.43,99.06 163.7,97.79 ; 145.92,81.79 138.94,88.77 ; C74.1 21.29,132.08 ; 21.29,121.21 22.23,120.27 22.23,116.84 23.24,115.82 23.24,113.79 22.35,112.9 13.22,112.9 U17.3 11.38,109.81 C73.1 13.84,107.18 13.84,98.81 12.83,97.79 12.83,93.73 12.45,93.35 12.45,91.95 10.03,89.54 10.03,77.6 10.67,76.96 17.02,76.96 17.53,77.47 17.53,79.25 18.29,80.01 v1(23.88,80.01) 24.51,79.38 42.8,79.38 v1(43.43,80.01)
  Bottom w2: 61.34,46.48 v1(78.99,46.48) v1(101.85,46.48) v1(127.51,46.48) v1(129.03,46.48) 141.61,46.48 142.12,46.99 147.95,46.99 148.54,46.4 C111.1
VDDA: length 150.3
  Top w0.25: U8.94 108.66,108.4 107.82,107.57
  Top w0.5: v1(103,103.51) 103,103.76 ; v1(82.3,87.12) 82.3,92.96 v1(84.58,95.25)
  Top w1: C60.1 21.97,108.46 22.48,108.97 22.48,115.82 23.75,117.09 23.75,123.06 L2.2 ; 107.82,107.57 106.81,107.57 103,103.76
  Bottom w0.5: 35.05,92.2 27.31,92.2 ; 35.05,92.2 35.31,92.2 35.94,92.84 U14.8 ; 35.05,92.2 61.72,92.2 63.75,90.55 71.63,84.58 79.76,84.58 v1(82.3,87.12) ; 27.31,92.2 27.31,93.09 26.29,94.1 C69.2 ; 27.31,92.2 27.31,90.68 U11.22 ; v1(84.58,95.25) 84.84,95.5 94.23,95.5 96.14,97.41 101.6,97.41 102.23,98.04 102.23,100.33 103,101.09 v1(103,103.51)
  Bottom w1: C69.2 22.36,94.1 20.7,95.76 C23.1 19.81,97.66 19.81,104.27 21.97,106.43